# Altium PCB IPG.PcbDoc (part 1 of 10) (continued)
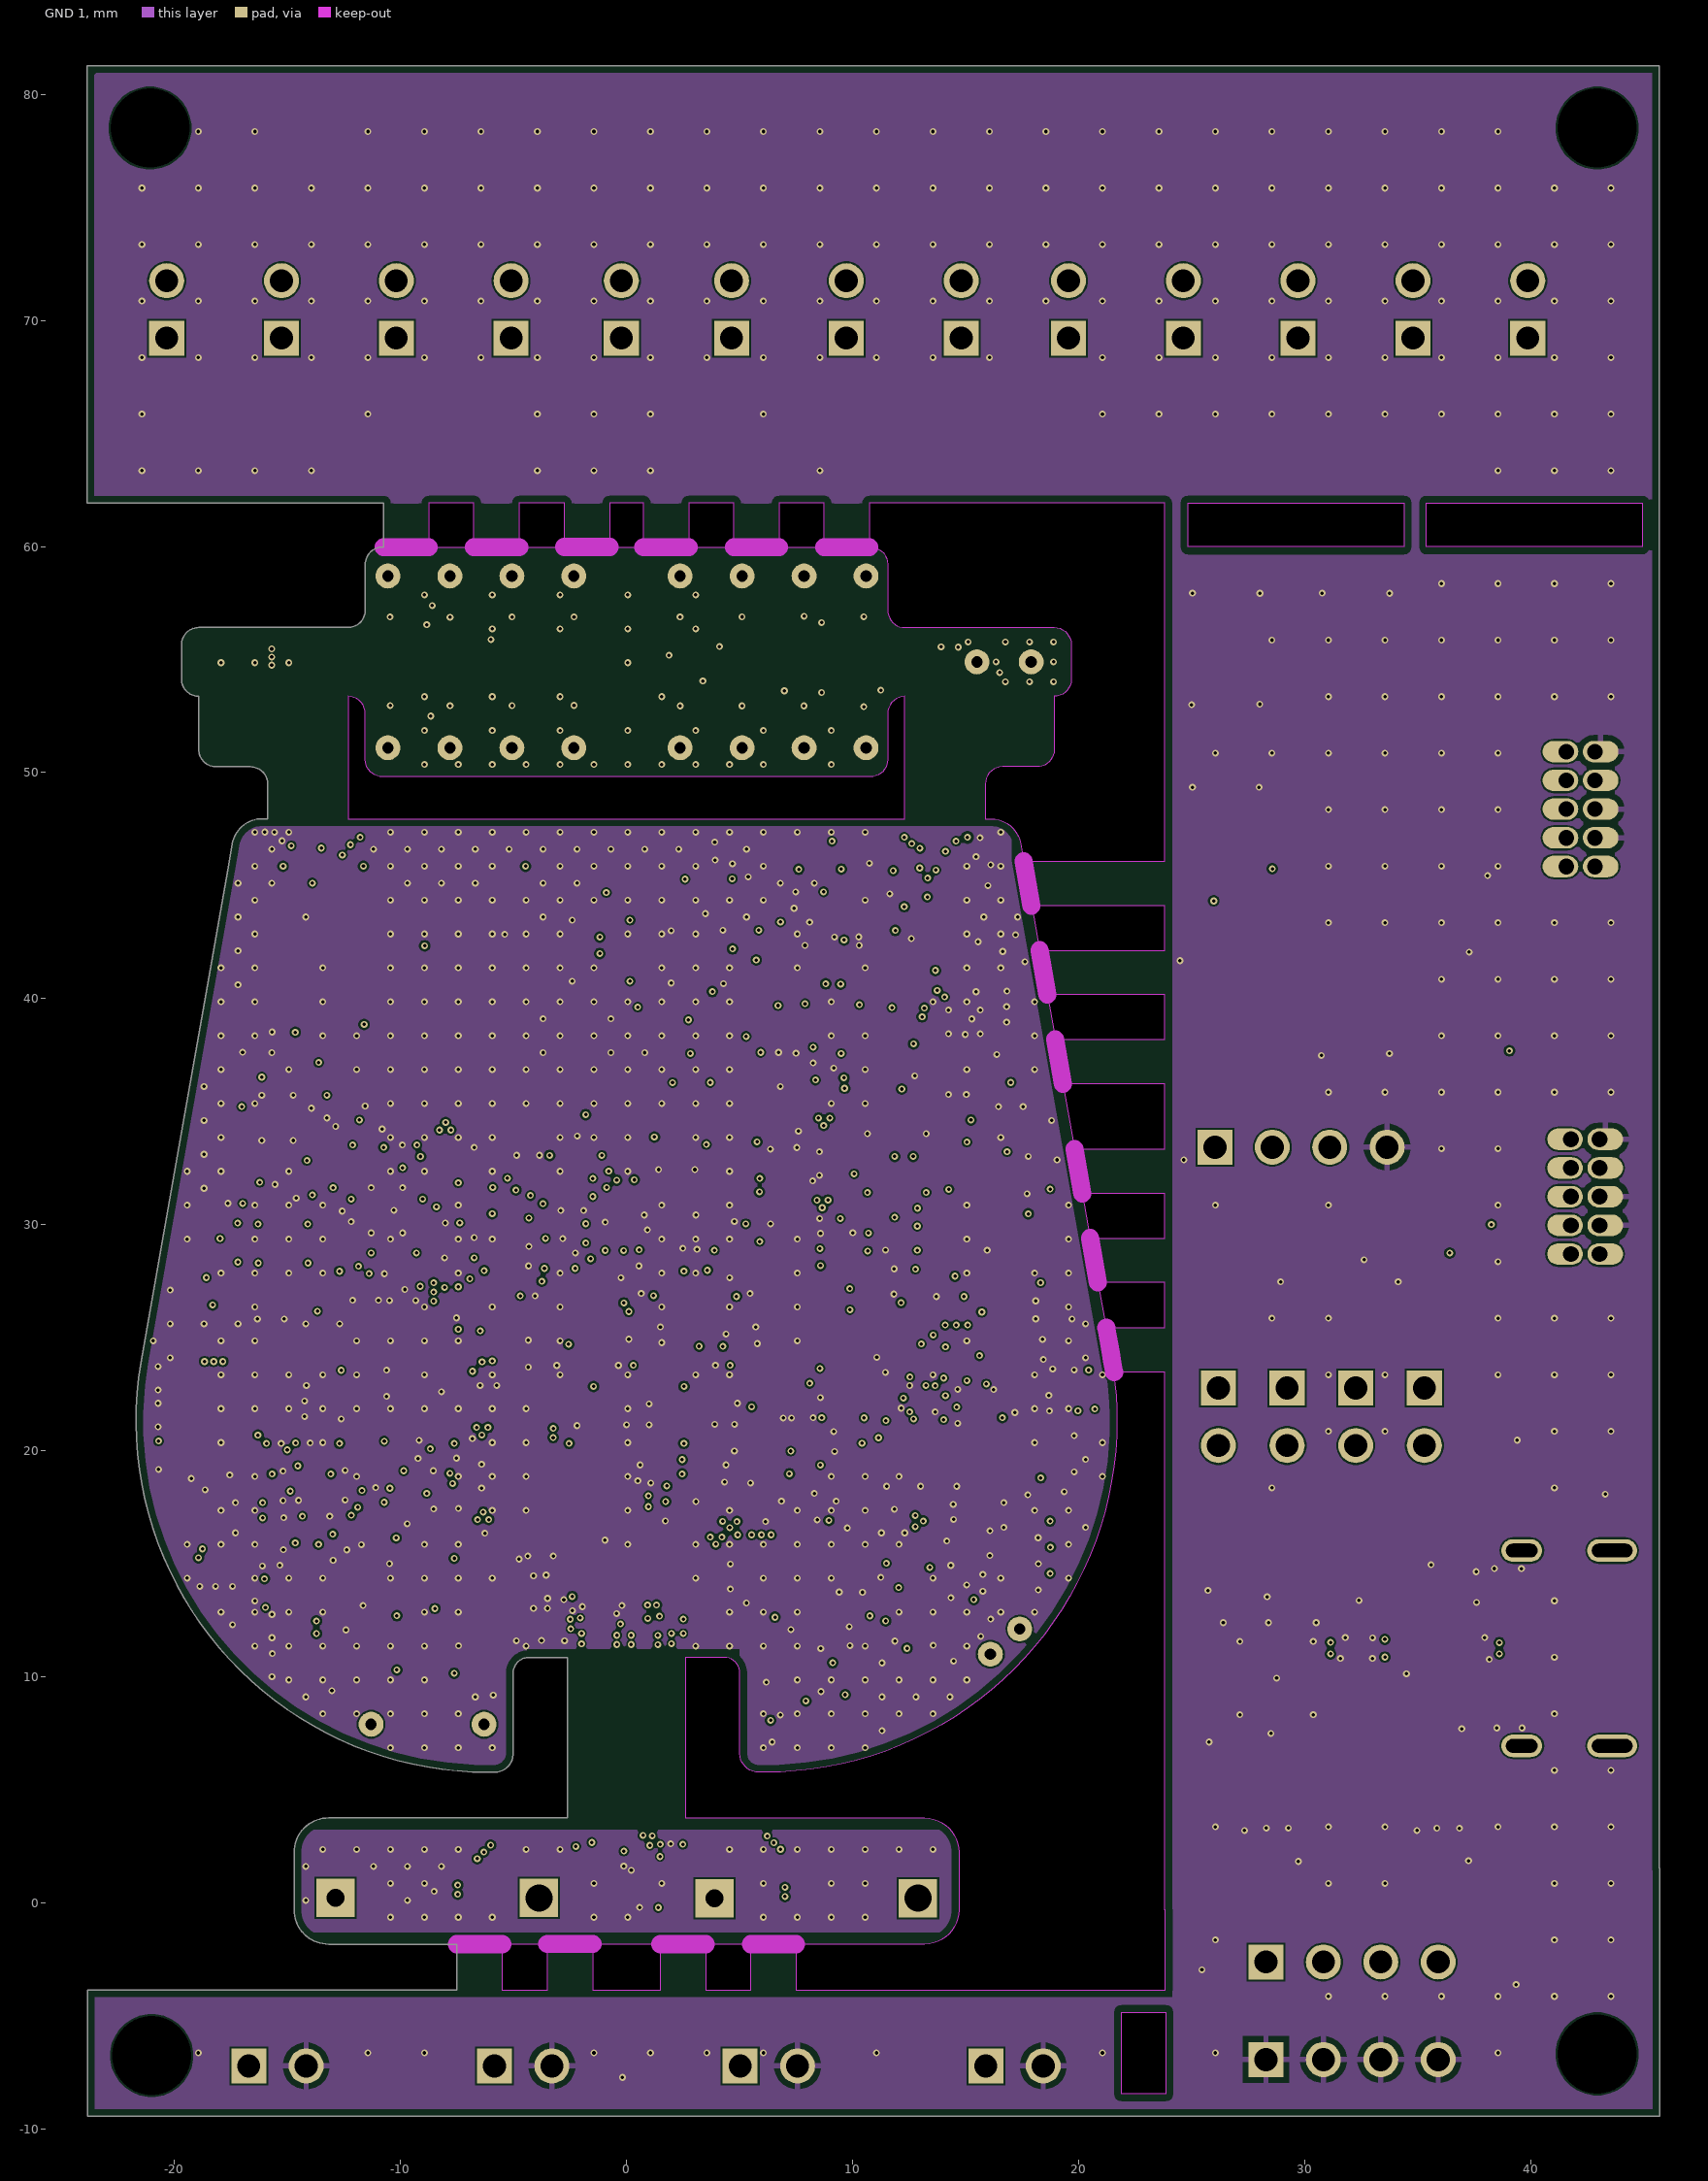
[diagram p4: GND 1]
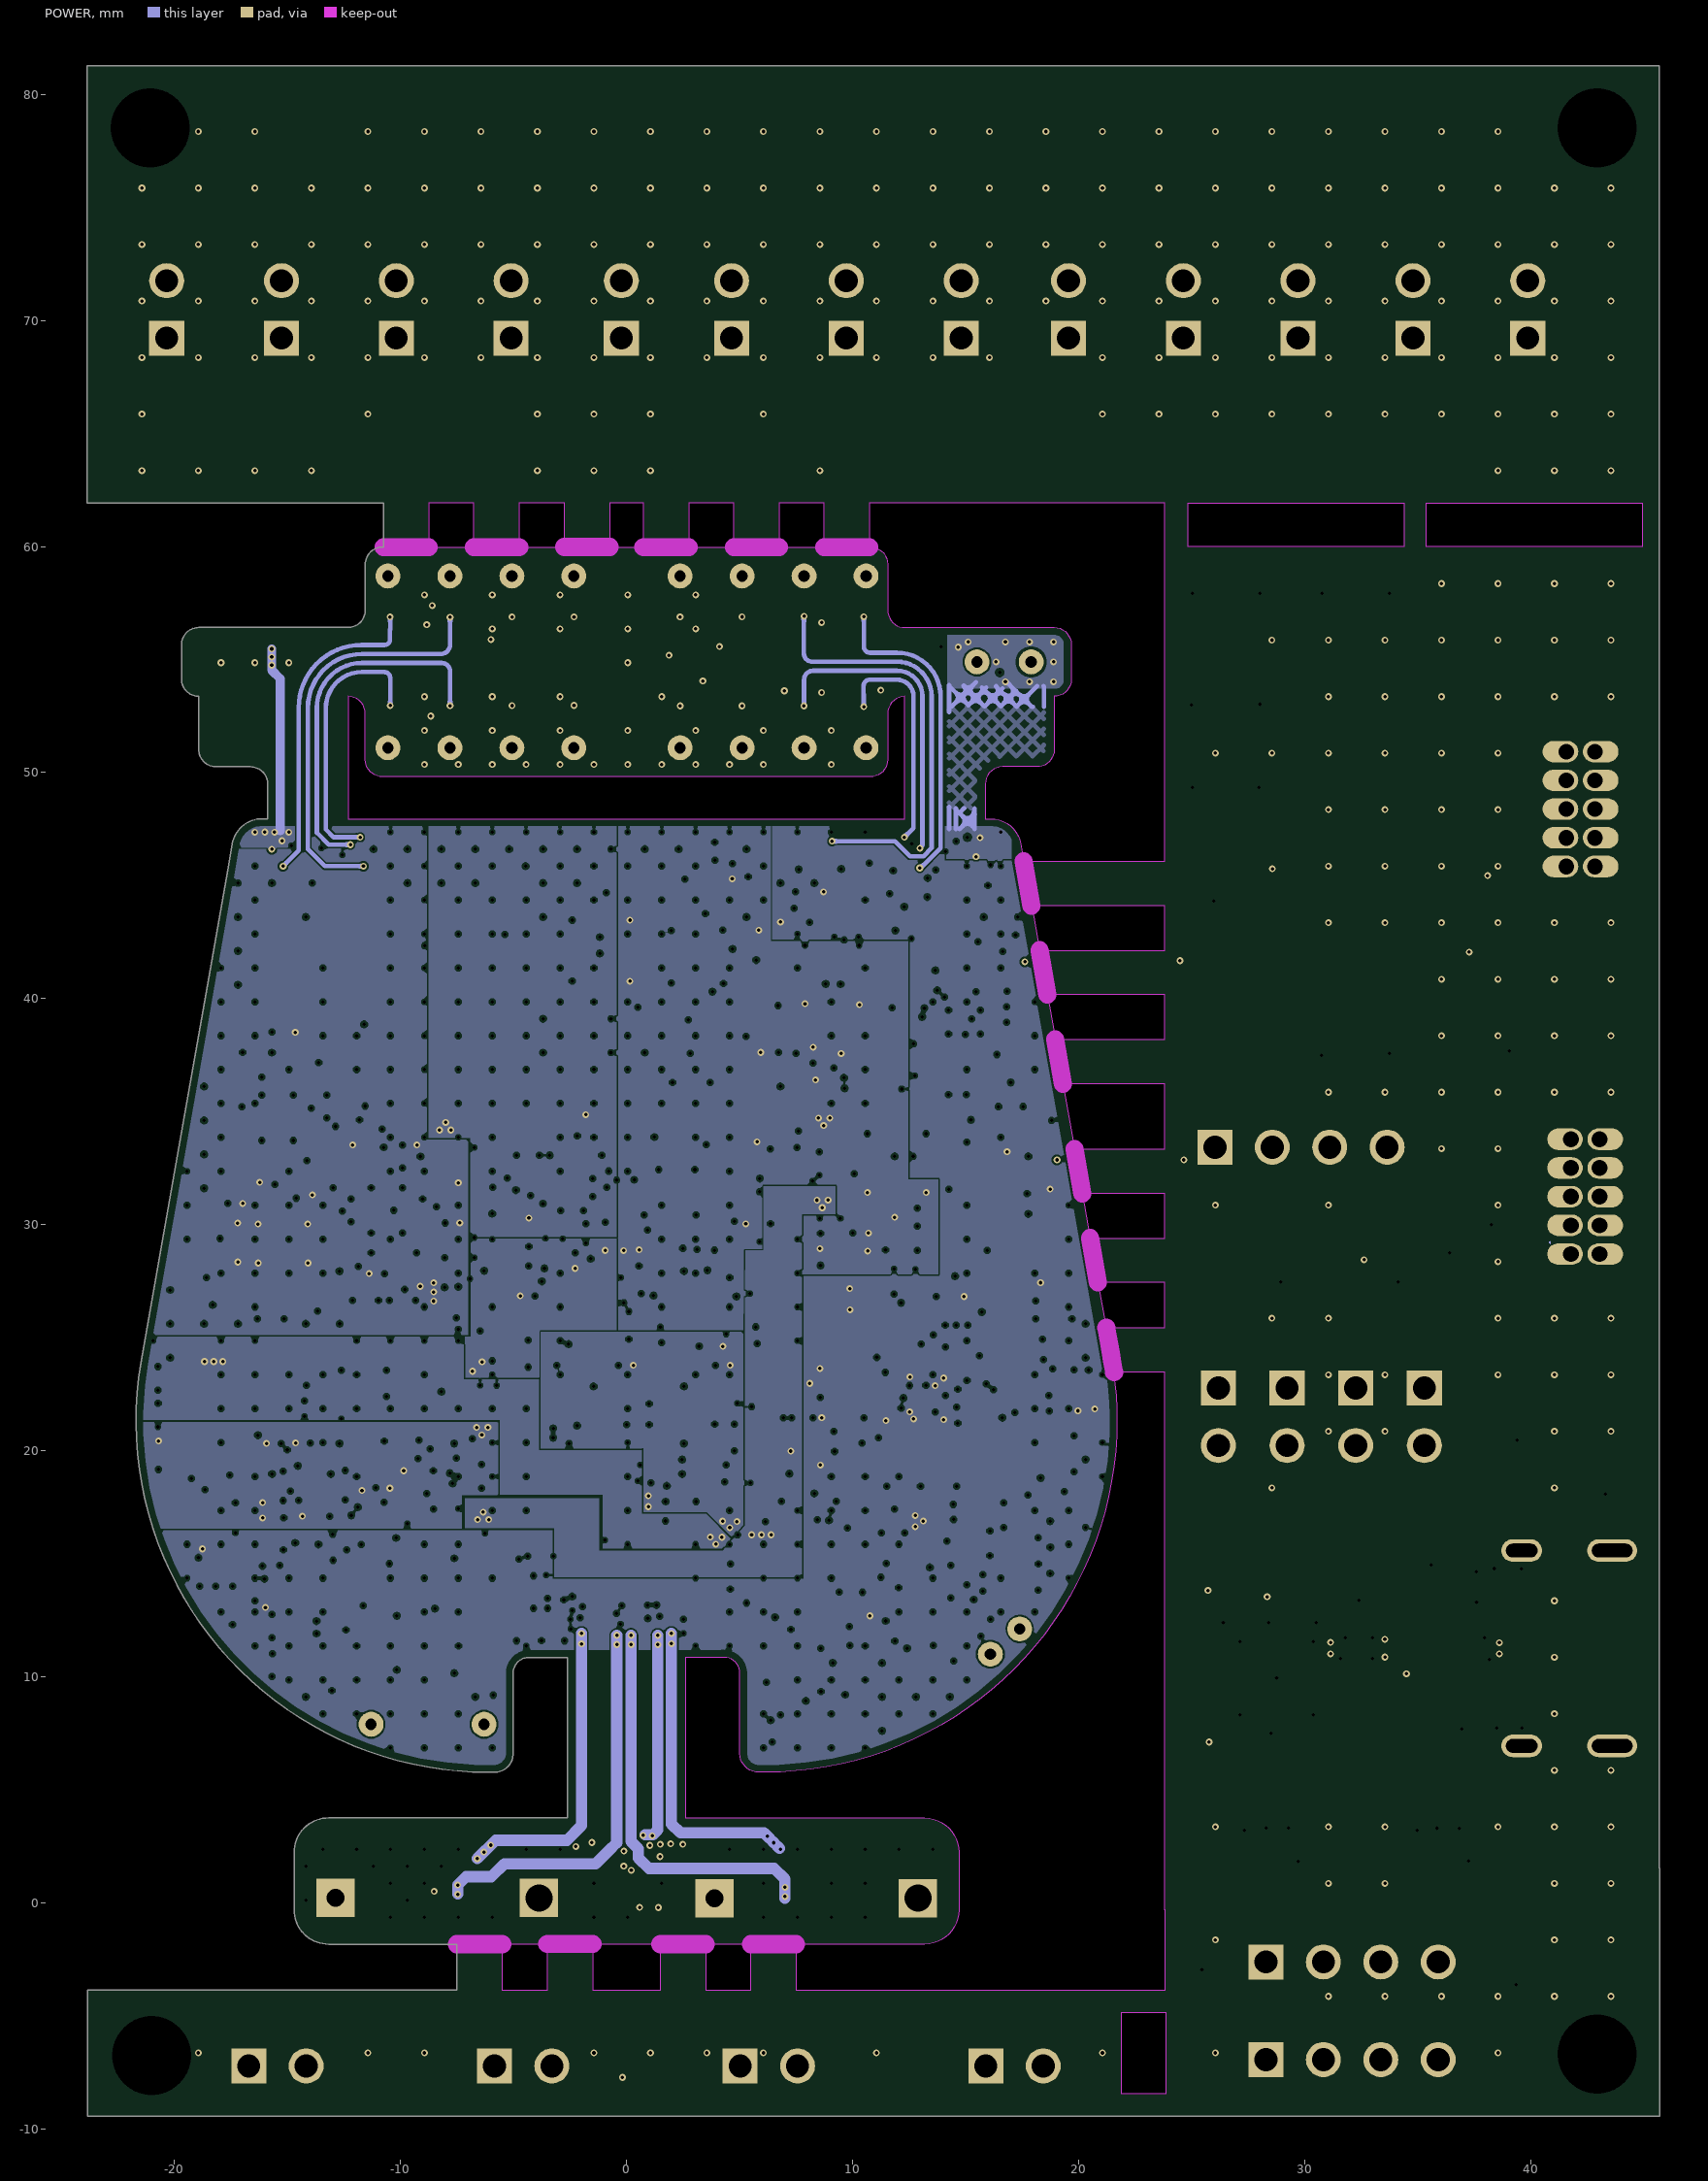
[diagram p5: POWER]
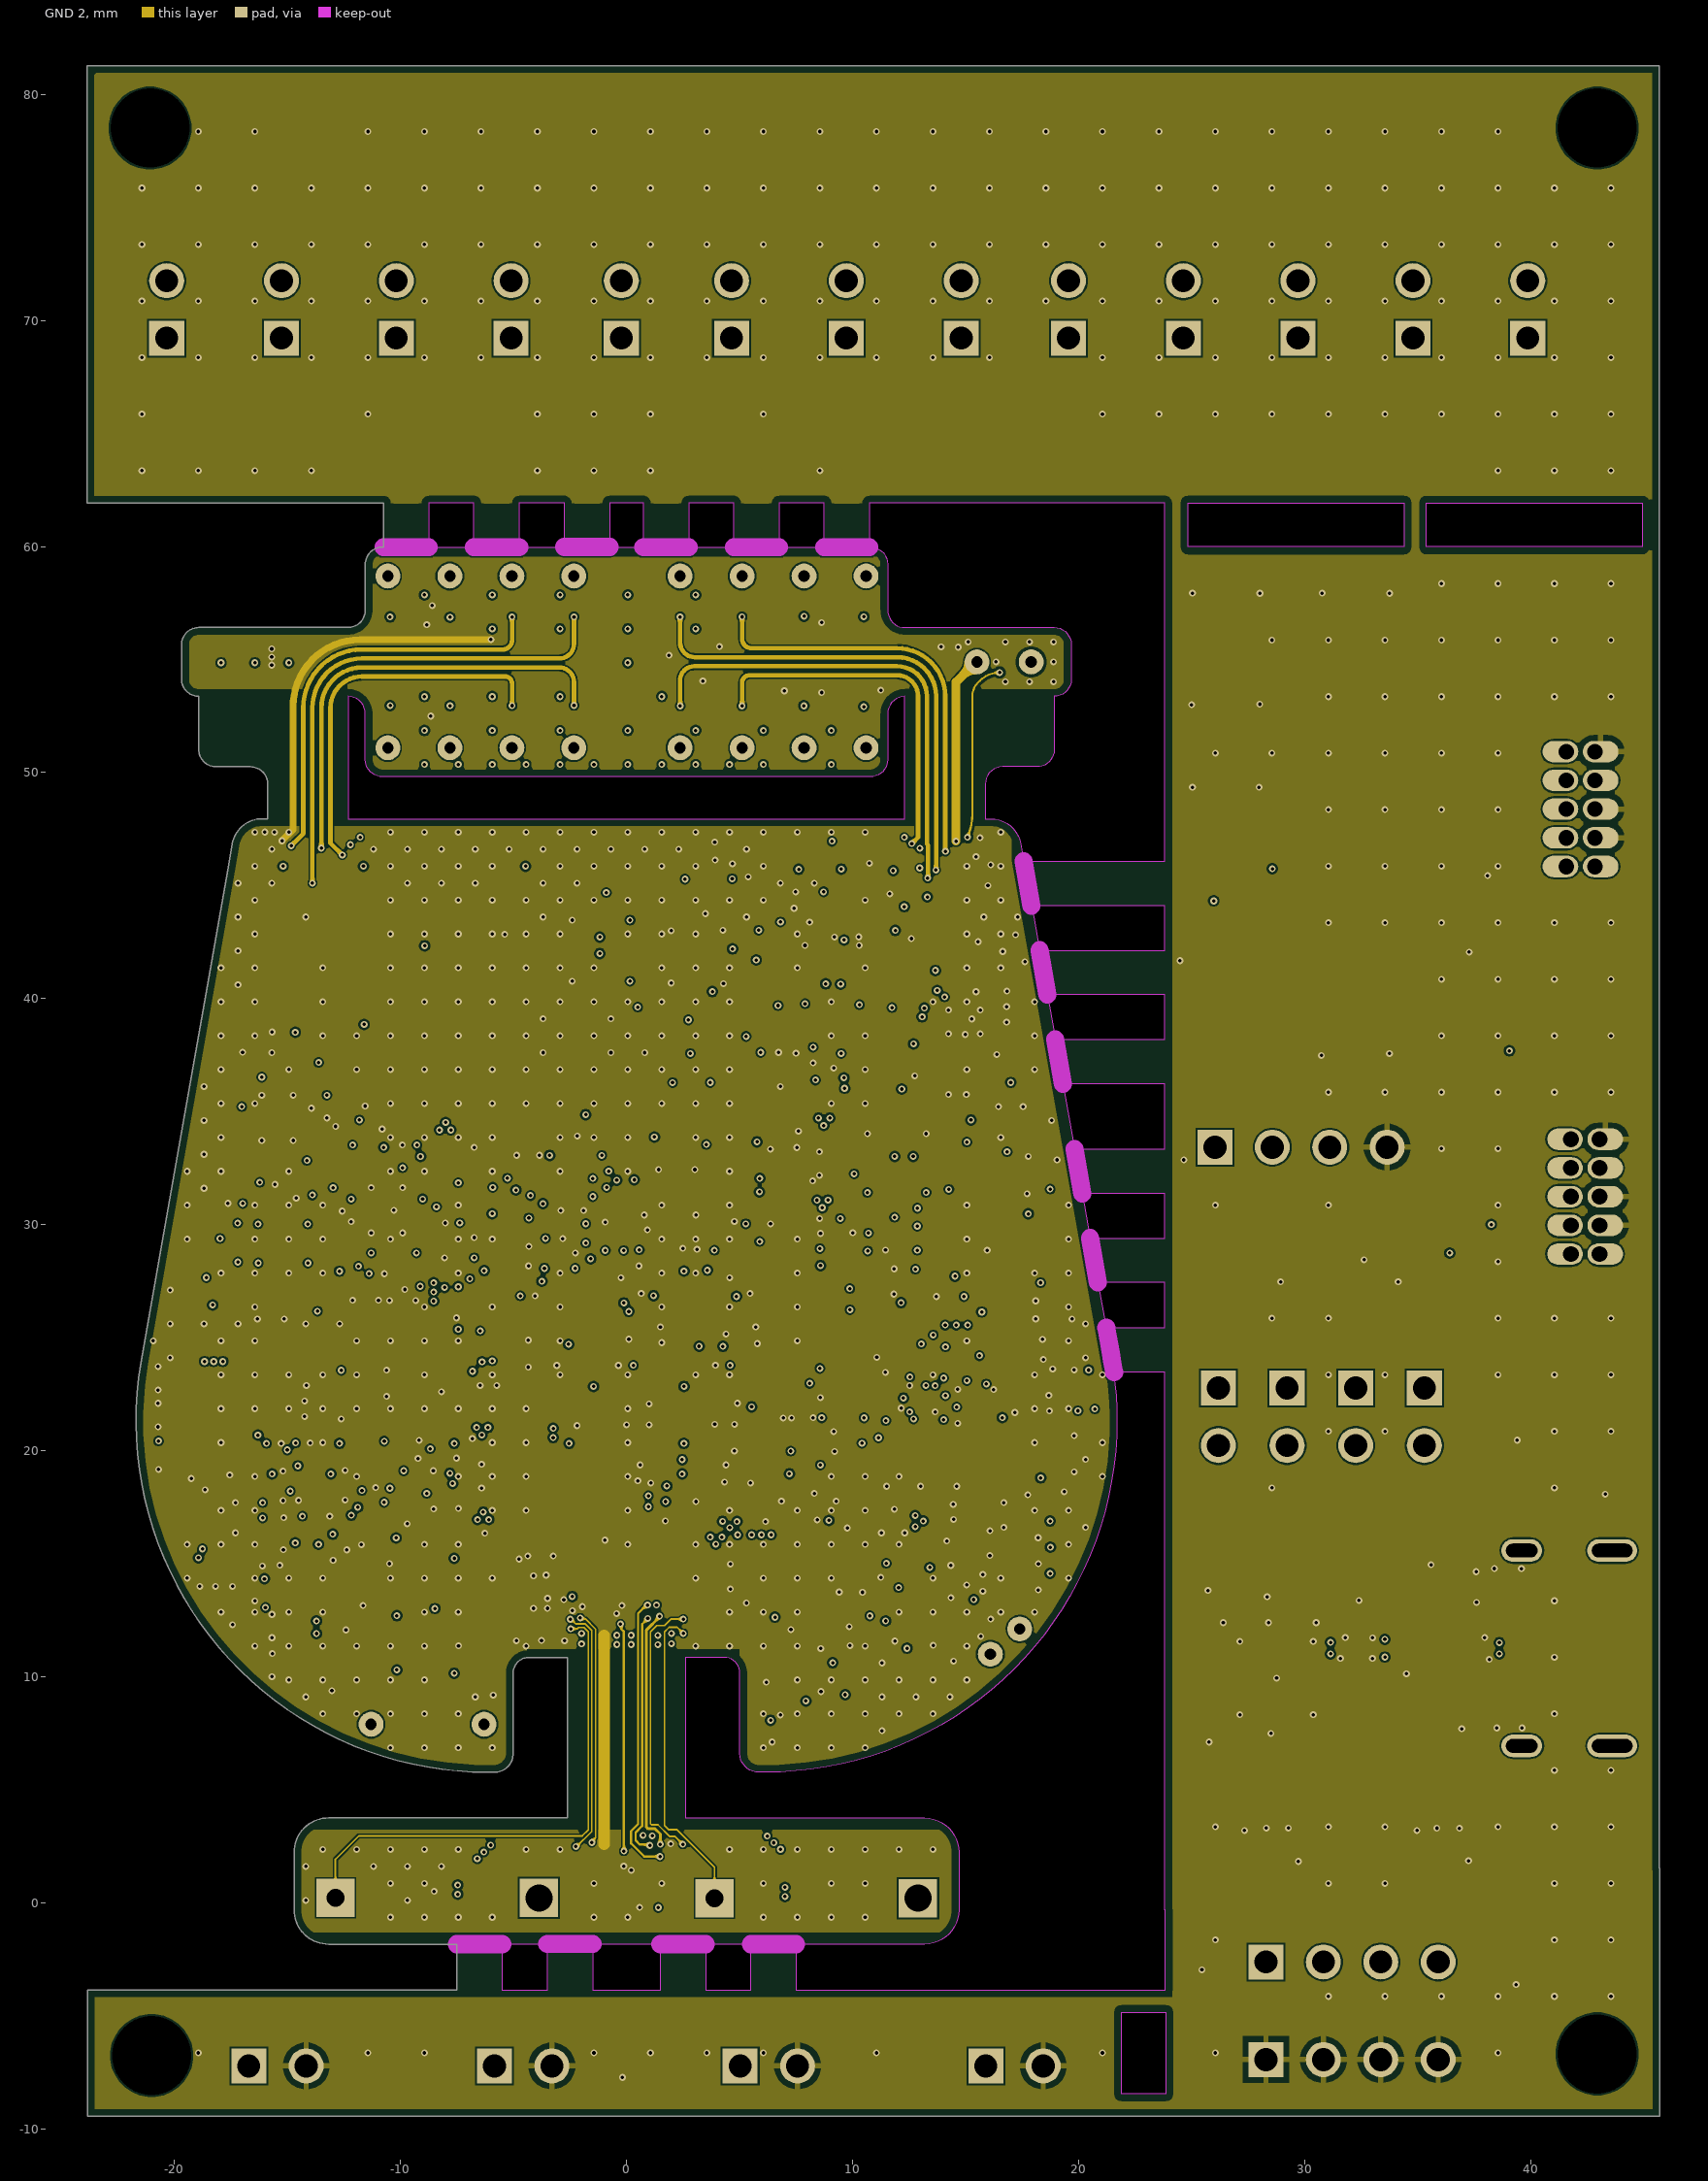
[diagram p6: GND 2]
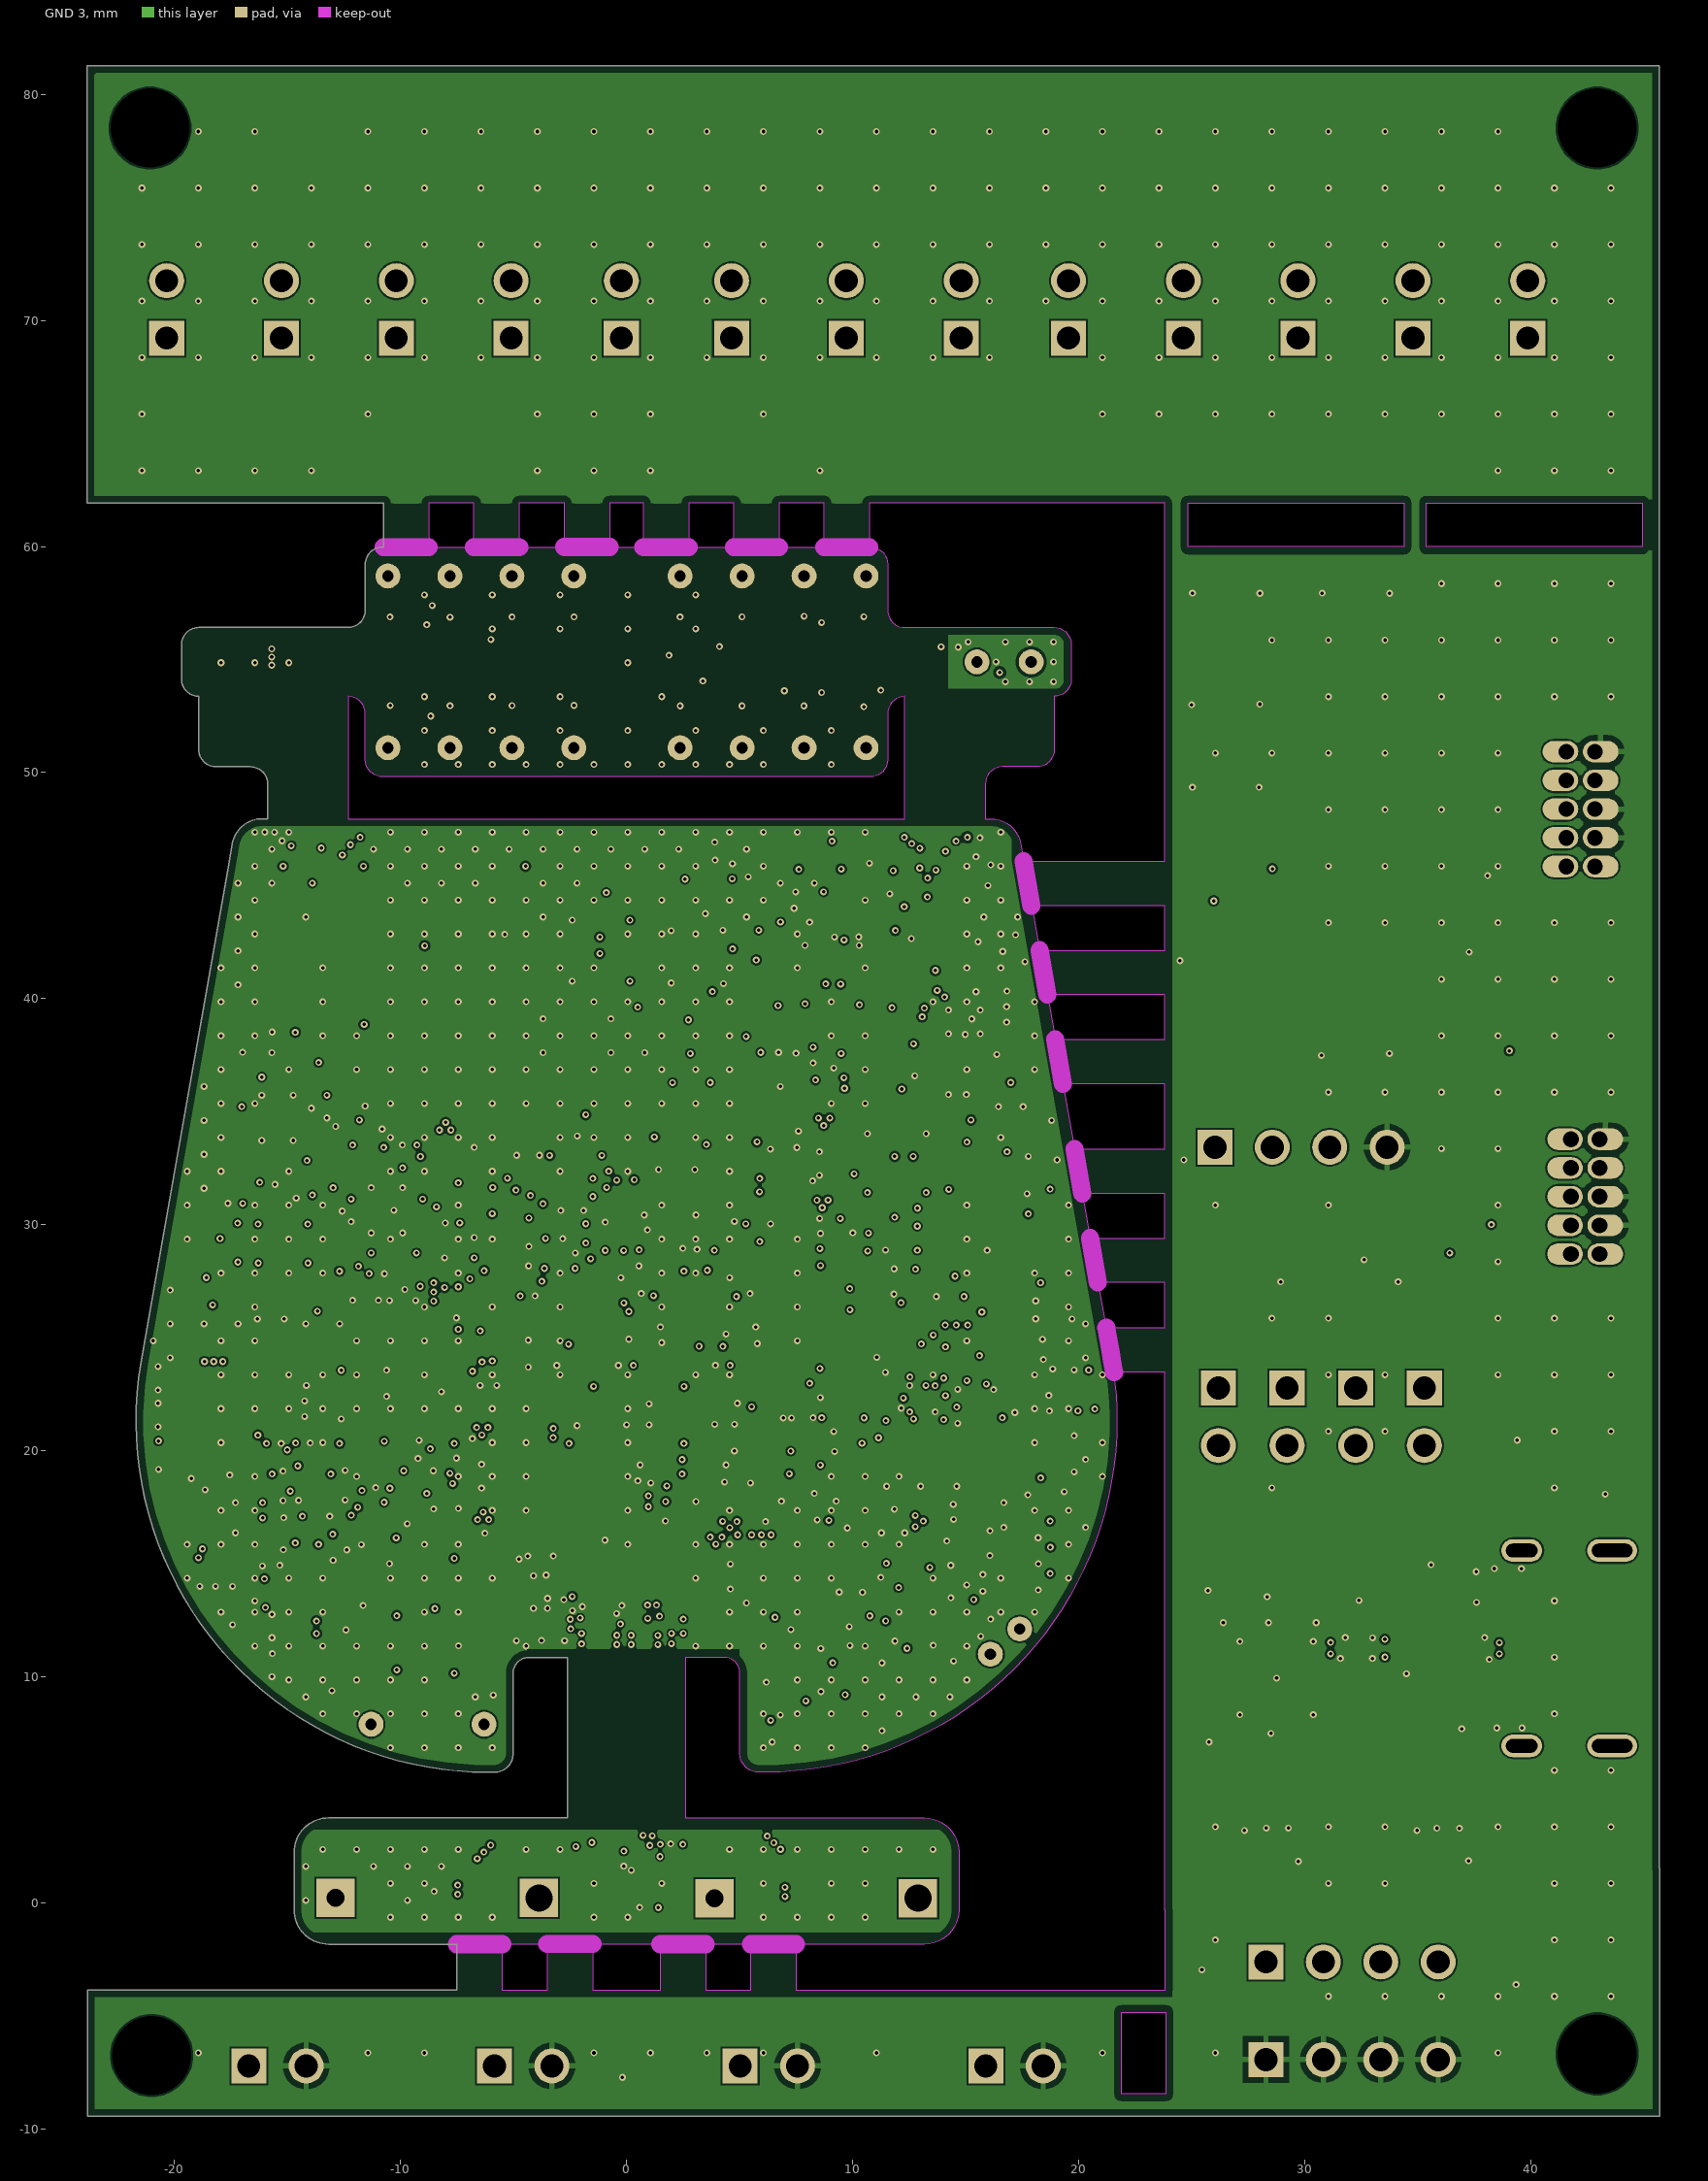
[diagram p7: GND 3]